# KiCad board HYDRA_VMM3_Adapter.kicad_pcb (continued)
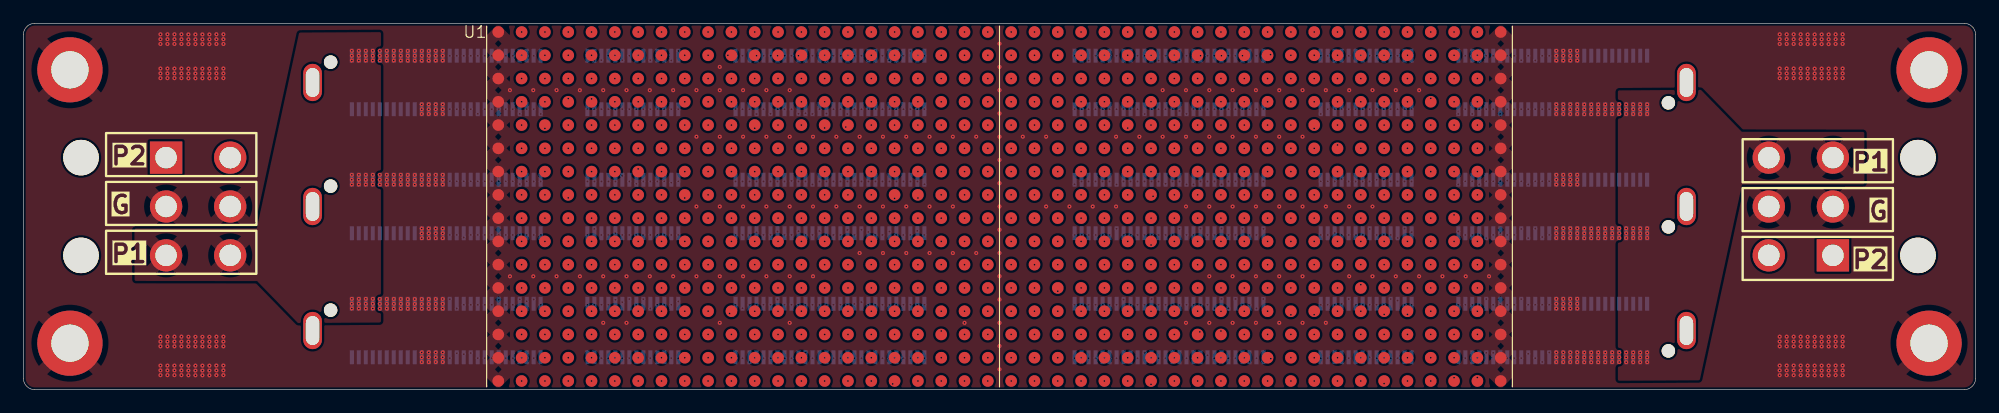
[diagram p0: board, top side]
## Routing (per net, layer and track width the routed paths; a pad name or vN(x,y) marks a point on that pad's centre or on a via; arc(x,y) is an arc through that point) (continued)
Col_35-Row_7: length 8.2
  In3.Cu w0.1: v4(108.75,18.75) 116.01,18.75 v5(116.7,18.05)
Col_35-Row_8: length 7.9
  In3.Cu w0.1: v4(108.75,16.75) 109.13,17.13 112.78,17.13 113.01,17.36 115.42,17.36 v5(116.11,18.05)
Col_35-Row_9: length 3.8
  In5.Cu w0.1: v7(108.75,14.75) 109.5,14 111.21,14 v3(111.91,13.31)
Col_35-Row_10: length 4.4
  In1.Cu w0.1: v1(108.75,12.75) 109.22,12.28 111.3,12.28 v6(112.51,13.48)
Col_35-Row_11: length 5.4
  In5.Cu w0.1: v7(108.75,10.75) 110.55,10.75 v3(113.11,13.31)
Col_35-Row_12: length 4.9
  In1.Cu w0.1: v1(108.75,8.75) 109.25,8.25 112.24,8.25 v6(113.11,7.39)
Col_35-Row_13: length 5.5
  In3.Cu w0.1: v4(108.75,6.44) 110.1,7.79 v5(113.71,7.79)
Col_35-Row_14: length 9.4
  In5.Cu w0.1: v3(117.3,2.71) 116.27,3.75 110.83,3.75 109.83,4.75 v7(108.75,4.75)
Col_35-Row_15: length 8.5
  In5.Cu w0.1: v3(116.7,2.71) 116.04,3.37 109.37,3.37 v7(108.75,2.75)
Col_35-Row_16: length 8.2
  In5.Cu w0.1: v7(108.75,0.75) 108.86,0.86 114.15,0.86 115.99,2.71 v3(116.11,2.71)
Col_36-Row_1: length 5
  In5.Cu w0.1: v3(114.91,28.71) 113.66,29.96 112.39,29.96 111.6,30.75 v7(110.75,30.75)
Col_36-Row_2: length 4
  In3.Cu w0.1: v4(110.75,28.75) 111.23,29.23 113.79,29.23 v5(114.3,28.71)
Col_36-Row_3: length 3.8
  In5.Cu w0.1: v7(110.75,26.75) 111.74,26.75 v3(113.7,28.71)
Col_36-Row_4: length 3.8
  In1.Cu w0.1: v1(110.75,24.75) 111.13,24.37 114.04,24.37 v6(114.3,24.11)
Col_36-Row_5: length 4.8
  In5.Cu w0.1: v3(114.91,24.11) 114.43,23.64 113.6,23.64 112.42,22.46 v7(110.75,22.46)
Col_36-Row_6: length 9.5
  In3.Cu w0.1: v5(119.11,17.91) 118.91,17.91 116.46,20.35 111.15,20.35 v4(110.75,20.75)
Col_36-Row_7: length 9.2
  In1.Cu w0.1: v2(113.8,16.62) 113.79,16.62 111.66,18.75 v1(110.75,18.75)
  In5.Cu w0.1: v2(113.8,16.62) 113.85,16.56 117.16,16.56 v3(118.51,17.91)
Col_36-Row_8: length 7.6
  In5.Cu w0.1: v7(110.75,16.75) 110.99,16.99 116.99,16.99 v3(117.91,17.91)
Col_36-Row_9: length 3.6
  In5.Cu w0.1: v7(110.75,14.75) 112.27,14.75 v3(113.7,13.31)
Col_36-Row_10: length 4.2
  In1.Cu w0.1: v6(114.3,13.31) 113.76,13.85 111.86,13.85 v1(110.75,12.75)
Col_36-Row_11: length 5.2
  In3.Cu w0.1: v4(110.75,10.75) 112.34,12.34 113.93,12.34 v5(114.91,13.31)
Col_36-Row_12: length 5
  In1.Cu w0.1: v1(110.75,8.75) 111.22,9.22 113.14,9.22 114.3,8.06 v6(114.3,7.31)
Col_36-Row_13: length 4.5
  In5.Cu w0.1: v7(110.74,6.45) 114.05,6.45 v3(114.91,7.31)
Col_36-Row_14: length 9.2
  In1.Cu w0.1: v2(117.61,3.91) 111.59,3.91 v1(110.75,4.75)
  In5.Cu w0.1: v3(119.11,2.71) 117.9,3.91 v2(117.61,3.91)
Col_36-Row_15: length 9.5
  In1.Cu w0.1: v2(118.33,1.63) 118.1,1.87 111.05,1.87 110.75,2.16 v1(110.75,2.75)
  In5.Cu w0.1: v2(118.33,1.63) 118.33,2.54 v3(118.51,2.71)
Col_36-Row_16: length 8
  In1.Cu w0.1: v2(116.21,1.44) 111.91,1.44 111.22,0.75 v1(110.75,0.75)
  In5.Cu w0.1: v2(116.21,1.44) 116.64,1.44 v3(117.91,2.71)
Col_37-Row_1: length 4.8
  In5.Cu w0.1: v3(116.7,28.71) 115.42,29.99 114.52,29.99 113.76,30.75 v7(112.75,30.75)
Col_37-Row_2: length 3.6
  In1.Cu w0.1: v6(116.11,28.71) 115.77,28.37 113.13,28.37 v1(112.75,28.75)
Col_37-Row_3: length 3.6
  In5.Cu w0.1: v3(115.51,28.71) 113.55,26.75 v7(112.75,26.75)
Col_37-Row_4: length 4.2
  In3.Cu w0.1: v5(116.7,24.11) 116.07,24.75 v4(112.75,24.75)
Col_37-Row_5: length 3.9
  In1.Cu w0.1: v6(116.11,24.11) 115.21,24.11 113.86,22.75 v1(112.75,22.75)
Col_37-Row_6: length 4.5
  In3.Cu w0.1: v4(112.74,21.04) 112.74,21.8 115.05,24.11 v5(115.51,24.11)
Col_37-Row_7: length 11.7
  In1.Cu w0.1: v1(112.75,18.75) 114.02,17.48 123.29,17.48 v6(123.71,17.91)
Col_37-Row_8: length 10.7
  In3.Cu w0.1: v4(112.75,16.75) 113.11,17.11 119.14,17.11 119.67,17.65 v5(123.11,17.65)
Col_37-Row_9: length 3.1
  In1.Cu w0.1: v6(115.51,13.82) 114.61,13.82 113.69,14.75 v1(112.75,14.75)
Col_37-Row_10: length 4.2
  In1.Cu w0.1: v2(114.42,12.07) 113.89,12.07 113.2,12.75 v1(112.75,12.75)
  In5.Cu w0.1: v3(116.11,13.31) 114.86,12.07 v2(114.42,12.07)
Col_37-Row_11: length 5
  In5.Cu w0.1: v7(112.75,10.75) 114.11,10.75 116.67,13.31 v3(116.7,13.31)
Col_37-Row_12: length 3.4
  In5.Cu w0.1: v3(115.51,7.31) 114.07,8.75 v7(112.75,8.75)
Col_37-Row_13: length 3.6
  In3.Cu w0.1: v4(112.75,6.75) 115.55,6.75 v5(116.11,7.31)
Col_37-Row_14: length 12.9
  In5.Cu w0.1: v7(112.75,4.75) 113.34,5.34 119.81,5.34 120.72,4.44 122.59,4.44 v3(124.32,2.71)
Col_37-Row_15: length 12.3
  In1.Cu w0.1: v2(119.7,1.56) 119.02,2.25 112.99,2.25 112.75,2.48 v1(112.75,2.75)
  In5.Cu w0.1: v3(123.71,2.71) 122.34,1.34 119.93,1.34 v2(119.7,1.56)
Col_37-Row_16: length 11.6
  In3.Cu w0.1: v9(120.81,1.78) 120.25,2.33 114.88,2.33 113.3,0.75 v4(112.75,0.75)
  In5.Cu w0.1: v3(123.11,2.71) 122.18,1.78 v9(120.81,1.78)
Col_38-Row_1: length 5.2
  In5.Cu w0.1: v3(119.11,28.71) 117.07,30.75 v7(114.75,30.75)
Col_38-Row_2: length 3.7
  In1.Cu w0.1: v6(117.91,28.71) 117.91,28.72 117.27,29.35 115.35,29.35 v1(114.75,28.75)
Col_38-Row_3: length 3.4
  In5.Cu w0.1: v3(117.3,28.71) 115.35,26.75 v7(114.75,26.75)
Col_38-Row_4: length 4.3
  In1.Cu w0.1: v1(114.75,24.75) 115.13,25.12 117.48,25.12 v2(117.51,25.1)
  In5.Cu w0.1: v2(117.51,25.1) 117.52,25.1 v3(118.51,24.11)
Col_38-Row_5: length 3.7
  In3.Cu w0.1: v5(117.91,24.11) 116.55,22.75 v4(114.75,22.75)
Col_38-Row_6: length 4.4
  In5.Cu w0.1: v3(117.3,24.11) 114.75,21.55 v7(114.75,20.75)
Col_38-Row_7: length 11
  In1.Cu w0.1: v1(114.75,18.75) 115.19,19.19 121.3,19.19 v10(121.64,18.85)
  In3.Cu w0.1: v5(124.92,17.65) 124.19,18.37 122.12,18.37 v10(121.64,18.85)
Col_38-Row_8: length 10.2
  In1.Cu w0.1: v2(119.86,17.02) 119.67,17.21 115.21,17.21 v1(114.75,16.75)
  In5.Cu w0.1: v3(124.32,17.91) 123.61,17.21 120.04,17.21 v2(119.86,17.02)
Col_38-Row_9: length 3.2
  In5.Cu w0.1: v3(117.3,13.31) 115.86,14.75 v7(114.75,14.75)
Col_38-Row_10: length 4
  In1.Cu w0.1: v1(114.75,12.75) 114.98,12.75 116.2,13.96 116.99,13.96 v6(117.91,13.05)
Col_38-Row_11: length 5.6
  In3.Cu w0.1: v5(118.51,13.85) 116.96,13.85 114.75,11.63 v4(114.75,10.75)
Col_38-Row_12: length 2.7
  In5.Cu w0.1: v7(114.75,9.03) 114.98,9.03 v3(116.7,7.31)
Col_38-Row_13: length 3
  In1.Cu w0.1: v1(114.75,6.75) 115.79,7.79 v6(117.3,7.79)
Col_38-Row_14: length 12.1
  In1.Cu w0.1: v2(121.57,3.52) 121.62,3.57 125.73,3.57 v6(126.11,3.18)
  In5.Cu w0.1: v7(114.75,4.75) 115.16,4.34 119.61,4.34 120.42,3.52 v2(121.57,3.52)
Col_38-Row_15: length 11.8
  In1.Cu w0.1: v1(114.75,2.75) 115.43,3.43 118.58,3.43 v10(119.05,3.91) ; v6(125.52,3.18) 125.48,3.15 121.92,3.15 v10(121.66,2.89)
  In3.Cu w0.1: v10(119.05,3.91) 120.64,3.91 v10(121.66,2.89)
Col_38-Row_16: length 11
  In5.Cu w0.1: v3(124.92,2.71) 123.16,0.95 114.95,0.95 v7(114.75,0.75)
Col_39-Row_1: length 7.8
  In1.Cu w0.1: v6(123.71,28.71) 122.05,30.37 117.13,30.37 v1(116.75,30.75)
Col_39-Row_2: length 7.1
  In1.Cu w0.1: v1(116.75,28.75) 117.61,27.89 v2(122.32,27.89)
  In5.Cu w0.1: v3(123.11,28.71) 122.32,27.91 v2(122.32,27.89)
Col_39-Row_3: length 2.7
  In5.Cu w0.1: v7(116.75,26.75) 118.51,28.5 v3(118.51,28.71)
Col_39-Row_4: length 7.2
  In1.Cu w0.1: v1(116.75,24.75) 117.39,24.11 v6(123.71,24.11)
Col_39-Row_5: length 6.8
  In1.Cu w0.1: v1(116.75,22.75) 117.71,23.71 v6(123.11,23.71)
Col_39-Row_6: length 4.3
  In5.Cu w0.1: v7(116.75,20.75) 116.75,21.75 v3(119.11,24.11)
Col_39-Row_7: length 9.7
  In1.Cu w0.1: v6(126.11,17.91) 125.7,18.32 117.18,18.32 v1(116.75,18.75)
Col_39-Row_8: length 9.7
  In1.Cu w0.1: v2(117.79,16.55) 116.95,16.55 v1(116.75,16.75)
  In5.Cu w0.1: v2(117.79,16.55) 117.79,16.55 124.6,16.55 125.52,17.46 v3(125.52,17.91)
Col_39-Row_9: length 2.9
  In1.Cu w0.1: v6(119.11,13.54) 117.96,13.54 v1(116.75,14.75)
Col_39-Row_10: length 6.8
  In3.Cu w0.1: v5(123.11,13.61) 120.14,13.61 119.2,12.67 116.83,12.67 v4(116.75,12.75)
Col_39-Row_11: length 8
  In5.Cu w0.1: v3(123.71,13.31) 123.2,12.79 120.31,12.79 118.27,10.75 v7(116.75,10.75)
Col_39-Row_12: length 1.6
  In5.Cu w0.1: v3(117.91,7.66) 117.91,7.72 116.88,8.75 v7(116.75,8.75)
Col_39-Row_13: length 2.1
  In5.Cu w0.1: v3(118.51,7.31) 117.67,6.47 v7(116.75,6.47)
Col_39-Row_14: length 13.4
  In1.Cu w0.1: v2(116.76,5.72) 116.75,5.71 v1(116.75,4.75)
  In5.Cu w0.1: v3(127.92,2.71) 125.86,4.76 120.74,4.76 119.79,5.72 v2(116.76,5.72)
Col_39-Row_15: length 11.9
  In1.Cu w0.1: v1(116.75,2.75) 117.14,3.14 119.23,3.14 120.37,4.28 123.74,4.28 v11(123.86,4.39)
  In5.Cu w0.1: v11(123.86,4.39) 124.06,4.18 125.84,4.18 v3(127.32,2.71)
Col_39-Row_16: length 10.9
  In5.Cu w0.1: v3(126.71,2.71) 124.54,0.53 v7(116.74,0.53)
Col_40-Row_1: length 7.6
  In5.Cu w0.1: v7(118.75,30.75) 119.43,30.07 124.16,30.07 v3(125.52,28.71)
Col_40-Row_2: length 6.4
  In3.Cu w0.1: v4(118.75,28.75) 119.2,28.3 v5(124.92,28.3)
Col_40-Row_3: length 6.4
  In5.Cu w0.1: v3(124.32,28.71) 123.13,27.52 119.52,27.52 v7(118.75,26.75)
Col_40-Row_4: length 7
  In5.Cu w0.1: v7(118.75,24.75) 119,24.5 125.13,24.5 v3(125.52,24.11)
Col_40-Row_5: length 7
  In5.Cu w0.1: v7(118.75,22.75) 123.98,22.75 124.92,23.68 v3(124.92,24.11)
Col_40-Row_6: length 6.8
  In1.Cu w0.1: v1(118.75,20.75) 120.08,20.75 122.5,23.16 123.77,23.16 v6(124.32,23.71)
Col_40-Row_7: length 8.9
  In5.Cu w0.1: v3(127.32,17.98) 127.01,18.28 119.21,18.28 v7(118.75,18.75)
Col_40-Row_8: length 9
  In1.Cu w0.1: v2(119.71,16.07) 119.43,16.07 v1(118.75,16.75)
  In5.Cu w0.1: v2(119.72,16.07) 124.87,16.07 v3(126.71,17.91)
Col_40-Row_9: length 6.2
  In5.Cu w0.1: v3(124.32,13.31) 123.54,14.09 119.41,14.09 v7(118.75,14.75)
Col_40-Row_10: length 6.9
  In1.Cu w0.1: v2(121.8,12.12) 121.68,12.25 119.25,12.25 v1(118.75,12.75)
  In5.Cu w0.1: v3(124.92,13.31) 124.91,13.31 123.72,12.12 v2(121.8,12.12)
Col_40-Row_11: length 8
  In1.Cu w0.1: v6(125.52,13.03) 125.52,12.59 124.63,11.7 119.7,11.7 v1(118.75,10.75)
Col_40-Row_12: length 1.6
  In5.Cu w0.1: v3(119.11,7.31) 119.11,8.39 v7(118.75,8.75)
Col_40-Row_13: length 4.7
  In5.Cu w0.1: v3(123.11,7.31) 120.36,7.31 119.52,6.47 v7(118.75,6.47)
Col_40-Row_14: length 12.9
  In1.Cu w0.1: v1(118.75,4.75) 119.89,4.75 v2(120.95,5.82)
  In5.Cu w0.1: v2(120.95,5.82) 120.98,5.8 126.94,5.8 129.71,3.02 v3(129.71,2.71)
Col_40-Row_15: length 11.3
  In1.Cu w0.1: v2(127.39,4.06) 127.23,3.9 121.37,3.9 120.22,2.75 v1(118.75,2.75)
  In5.Cu w0.1: v2(127.39,4.06) 128.36,3.08 129.11,3.08 v3(129.11,3.09)
Col_40-Row_16: length 10.9
  In3.Cu w0.1: v4(118.75,0.75) 119.1,0.4 126.2,0.4 v5(128.51,2.71)
Col_41-Row_1: length 7.7
  In5.Cu w0.1: v7(120.75,30.75) 125.69,30.75 127.32,29.13 v3(127.32,28.71)
Col_41-Row_2: length 6.6
  In3.Cu w0.1: v4(120.75,28.75) 121.55,29.55 125.88,29.55 v5(126.71,28.71)
Col_41-Row_3: length 6.2
  In5.Cu w0.1: v7(120.75,26.75) 121.27,27.27 124.67,27.27 v3(126.11,28.71)
Col_41-Row_4: length 7.3
  In5.Cu w0.1: v7(120.75,25.05) 121.14,25.44 125.98,25.44 v3(127.32,24.11)
Col_41-Row_5: length 6.4
  In3.Cu w0.1: v5(126.71,23.71) 125.76,22.75 v4(120.75,22.75)
Col_41-Row_6: length 6.8
  In5.Cu w0.1: v3(126.11,24.11) 123.32,21.31 121.31,21.31 v7(120.75,20.75)
Col_41-Row_7: length 8.1
  In5.Cu w0.1: v3(128.51,17.91) 127.67,18.75 v7(120.75,18.75)
Col_41-Row_8: length 7.6
  In1.Cu w0.1: v6(127.92,17.91) 127.18,17.18 121.18,17.18 v1(120.75,16.75)
Col_41-Row_9: length 6
  In5.Cu w0.1: v3(126.11,13.31) 125.08,14.34 121.16,14.34 v7(120.75,14.75)
Col_41-Row_10: length 6.3
  In3.Cu w0.1: v5(126.71,13.45) 124.39,13.45 123.7,12.75 v4(120.75,12.75)
Col_41-Row_11: length 7.6
  In5.Cu w0.1: v7(120.75,10.75) 124.76,10.75 v3(127.32,13.31)
Col_41-Row_12: length 3.6
  In5.Cu w0.1: v7(120.75,8.75) 121.61,7.89 123.14,7.89 v3(123.71,7.31)
Col_41-Row_13: length 3.9
  In5.Cu w0.1: v3(124.32,7.31) 123.58,6.57 120.71,6.57
  vias: v7(120.75,6.75)
Col_41-Row_14: length 7.8
  In1.Cu w0.1: v2(124.21,6.18) 122.18,6.18 v1(120.75,4.75)
  In5.Cu w0.1: v2(124.21,6.18) 126.45,6.18 127.32,7.04 v3(127.32,7.31)
Col_41-Row_15: length 10.8
  In1.Cu w0.1: v6(130.91,3.2) 129.94,3.2 129.16,2.42 125.2,2.42 125.09,2.32 124.36,2.32 124.27,2.23 121.27,2.23 v1(120.75,2.75)
Col_41-Row_16: length 10.2
  In1.Cu w0.1: v6(130.31,2.39) 130.01,2.08 125.33,2.08 125.05,1.8 121.8,1.8 v1(120.75,0.75)
Col_42-Row_1: length 7.2
  In3.Cu w0.1: v4(122.75,30.75) 127.08,30.75 v5(129.11,28.71)
Col_42-Row_2: length 6.4
  In1.Cu w0.1: v6(128.51,28.32) 127.97,27.77 123.73,27.77 v1(122.75,28.75)
Col_42-Row_3: length 6
  In5.Cu w0.1: v7(122.75,26.75) 125.95,26.75 v3(127.92,28.71)
Col_42-Row_4: length 6.6
  In3.Cu w0.1: v4(122.75,24.75) 128.47,24.75 v5(129.11,24.11)
Col_42-Row_5: length 6.4
  In1.Cu w0.1: v1(122.75,22.75) 122.86,22.64 123.89,22.64 124.44,23.19 127.59,23.19 v6(128.51,24.11)
Col_42-Row_6: length 6.6
  In5.Cu w0.1: v3(127.92,24.11) 124.55,20.75 v7(122.75,20.75)
Col_42-Row_7: length 7.3
  In3.Cu w0.1: v5(129.71,17.91) 128.88,18.75 v4(122.75,18.75)
Col_42-Row_8: length 7.1
  In1.Cu w0.1: v1(122.75,16.75) 123.23,16.27 127.73,16.27 v6(129.11,17.65)
Col_42-Row_9: length 5.9
  In5.Cu w0.1: v3(127.92,13.31) 126.2,15.03 v7(122.74,15.03)
Col_42-Row_10: length 6.2
  In1.Cu w0.1: v6(128.51,13.82) 123.82,13.82 v1(122.75,12.75)
Col_42-Row_11: length 7.3
  In1.Cu w0.1: v1(122.75,10.75) 123.31,11.31 127.39,11.31 v6(129.11,13.03)
Col_42-Row_12: length 2.8
  In5.Cu w0.1: v3(124.92,7.31) 123.48,8.75 v7(122.75,8.75)
Col_42-Row_13: length 3.2
  In1.Cu w0.1: v6(125.52,7.79) 123.79,7.79 v1(122.75,6.75)
Col_42-Row_14: length 7.4
  In1.Cu w0.1: v1(122.75,4.75) 123.23,5.23 127.03,5.23 v6(129.11,7.31)
Col_42-Row_15: length 8.6
  In3.Cu w0.1: v4(122.75,2.75) 122.75,4.01 126.53,7.79 v5(128.51,7.79)
Col_42-Row_16: length 8.4
  In3.Cu w0.1: v5(127.92,7.31) 127.92,6.6 122.75,1.44 v4(122.75,1.04)
Col_43-Row_1: length 7
  In1.Cu w0.1: v1(124.75,30.75) 124.79,30.71 128.91,30.71 v6(130.91,28.71)
Col_43-Row_2: length 5.8
  In1.Cu w0.1: v1(124.75,28.75) 125.03,29.03 129.99,29.03 v6(130.31,28.71)
Col_43-Row_3: length 5.6
  In1.Cu w0.1: v6(129.71,28.31) 128.16,26.75 v1(124.75,26.75)
Col_43-Row_4: length 7.3
  In1.Cu w0.1: v1(124.75,24.75) 125.78,25.78 129.24,25.78 v6(130.91,24.11)
Col_43-Row_5: length 6.2
  In1.Cu w0.1: v1(124.75,22.75) 124.86,22.64 128.85,22.64 v6(130.31,24.11)
Col_43-Row_6: length 7
  In3.Cu w0.1: v5(129.71,24.11) 129.71,23.06 127.41,20.75 v4(124.75,20.75)
Col_43-Row_7: length 6.5
  In1.Cu w0.1: v6(130.91,17.91) 130.07,18.75 v1(124.75,18.75)
Col_43-Row_8: length 6.5
  In1.Cu w0.1: v1(124.75,16.75) 127.35,16.75 129.04,18.45 129.77,18.45 v6(130.31,17.91)
Col_43-Row_9: length 5.4
  In1.Cu w0.1: v6(129.71,13.85) 128.7,14.86 124.86,14.86 v1(124.75,14.75)
Col_43-Row_10: length 6.4
  In1.Cu w0.1: v1(124.75,12.75) 124.75,13.24 125.08,13.57 128.23,13.57 128.36,13.44 129.99,13.44 v6(130.31,13.12)
Col_43-Row_11: length 7.6
  In1.Cu w0.1: v1(124.75,10.75) 128.97,10.75 130.91,12.69 v6(130.91,13.31)
Col_43-Row_12: length 2.3
  In5.Cu w0.1: v3(126.11,7.31) 126.11,7.96 125.33,8.75 v7(124.75,8.75)
Col_43-Row_13: length 2.2
  In5.Cu w0.1: v3(126.71,7.31) 126.16,6.75 v7(124.75,6.75)
Col_43-Row_14: length 7.2
  In1.Cu w0.1: v6(130.91,7.31) 128.35,4.75 v1(124.75,4.75)
Col_43-Row_15: length 8.5
  In1.Cu w0.1: v10(130.31,5.58) 129.79,5.58 126.96,2.75 v1(124.75,2.75)
  In3.Cu w0.1: v10(130.31,5.58) v5(130.31,7.31)
Col_43-Row_16: length 8.9
  In3.Cu w0.1: v5(129.71,7.31) 129.71,6.88 128.37,5.53 128.37,3.67 125.74,1.05 v4(124.74,1.05)
P1A:
  vias: v8(28.18,29.13) v8(28.18,28.71) v8(28.18,28.3) v8(28.18,18.47) v8(28.18,18.05) v8(28.18,17.64) v8(28.18,7.81) v8(28.18,7.39) v8(28.18,6.98) v8(28.79,29.13) v8(28.79,28.71) v8(28.79,28.3) v8(28.79,18.47) v8(28.79,18.05) v8(28.79,17.64) v8(28.79,7.81) v8(28.79,7.39) v8(28.79,6.98) v8(29.39,29.13) v8(29.39,28.71) v8(29.39,28.3) v8(29.39,18.47) v8(29.39,18.05) v8(29.39,17.64) v8(29.39,7.81) v8(29.39,7.39) v8(29.39,6.98) v8(29.98,29.13) v8(29.98,28.71) v8(29.98,28.3) v8(29.98,18.47) v8(29.98,18.05) v8(29.98,17.64) v8(29.98,7.81) v8(29.98,7.39) v8(29.98,6.98)
P1B:
  vias: v8(137.51,24.53) v8(137.51,24.11) v8(137.51,23.7) v8(137.51,13.87) v8(137.51,13.45) v8(137.51,13.04) v8(137.51,3.2) v8(137.51,2.78) v8(137.51,2.37) v8(138.11,24.53) v8(138.11,24.11) v8(138.11,23.7) v8(138.11,13.87) v8(138.11,13.45) v8(138.11,13.04) v8(138.11,3.2) v8(138.11,2.78) v8(138.11,2.37) v8(138.71,24.53) v8(138.71,24.11) v8(138.71,23.7) v8(138.71,13.87) v8(138.71,13.45) v8(138.71,13.04) v8(138.71,3.2) v8(138.71,2.78) v8(138.71,2.37) v8(139.31,24.53) v8(139.31,24.11) v8(139.31,23.7) v8(139.31,13.87) v8(139.31,13.45) v8(139.31,13.04) v8(139.31,3.2) v8(139.31,2.78) v8(139.31,2.37)

## Copper pours and planes (outline as drawn; the poured copper is in the pictures)
GND on Top, Bottom, In1.Cu, In2.Cu, In3.Cu, In4.Cu, In5.Cu, In6.Cu: -6.25,33.75 173.75,34.75 173.75,-3.25 -6.25,-4.25
P1A on Top: 9.54,13.86 9.54,9.35 20.05,9.34 23.57,5.73 30.68,5.78 30.68,30.74 23.67,30.7 20.04,13.88
P1B on Top: 157.95,17.65 157.94,22.16 147.44,22.17 143.92,25.78 136.8,25.73 136.8,0.77 143.82,0.81 147.45,17.63
P2A on Bottom: 8.41,22.67 8.45,17.82 21.05,17.77 21.22,0.71 33.78,0.69 33.78,4.41 30.23,5.27 30.19,10.64 33.81,12.08 33.83,14.97 30.32,15.99 30.32,21.93 33.83,22.67 33.84,26.05 8.41,26.09
P2B on Bottom: 159.09,8.83 159.05,13.68 146.45,13.73 146.28,30.79 133.73,30.81 133.72,27.09 137.27,26.23 137.31,20.86 133.69,19.42 133.68,16.53 137.19,15.51 137.18,9.57 133.67,8.83 133.66,5.45 159.09,5.41

Small or netless copper shapes (teardrops, artwork), in the pictures only: 480 on In1.Cu, 275 on In3.Cu, 755 on In5.Cu

## Text on the board
B.Silkscreen: 3.3V | 1.8V
F.Silkscreen: P2 | G | P1
